# KiCad board fieldRadio_1.1.kicad_pcb
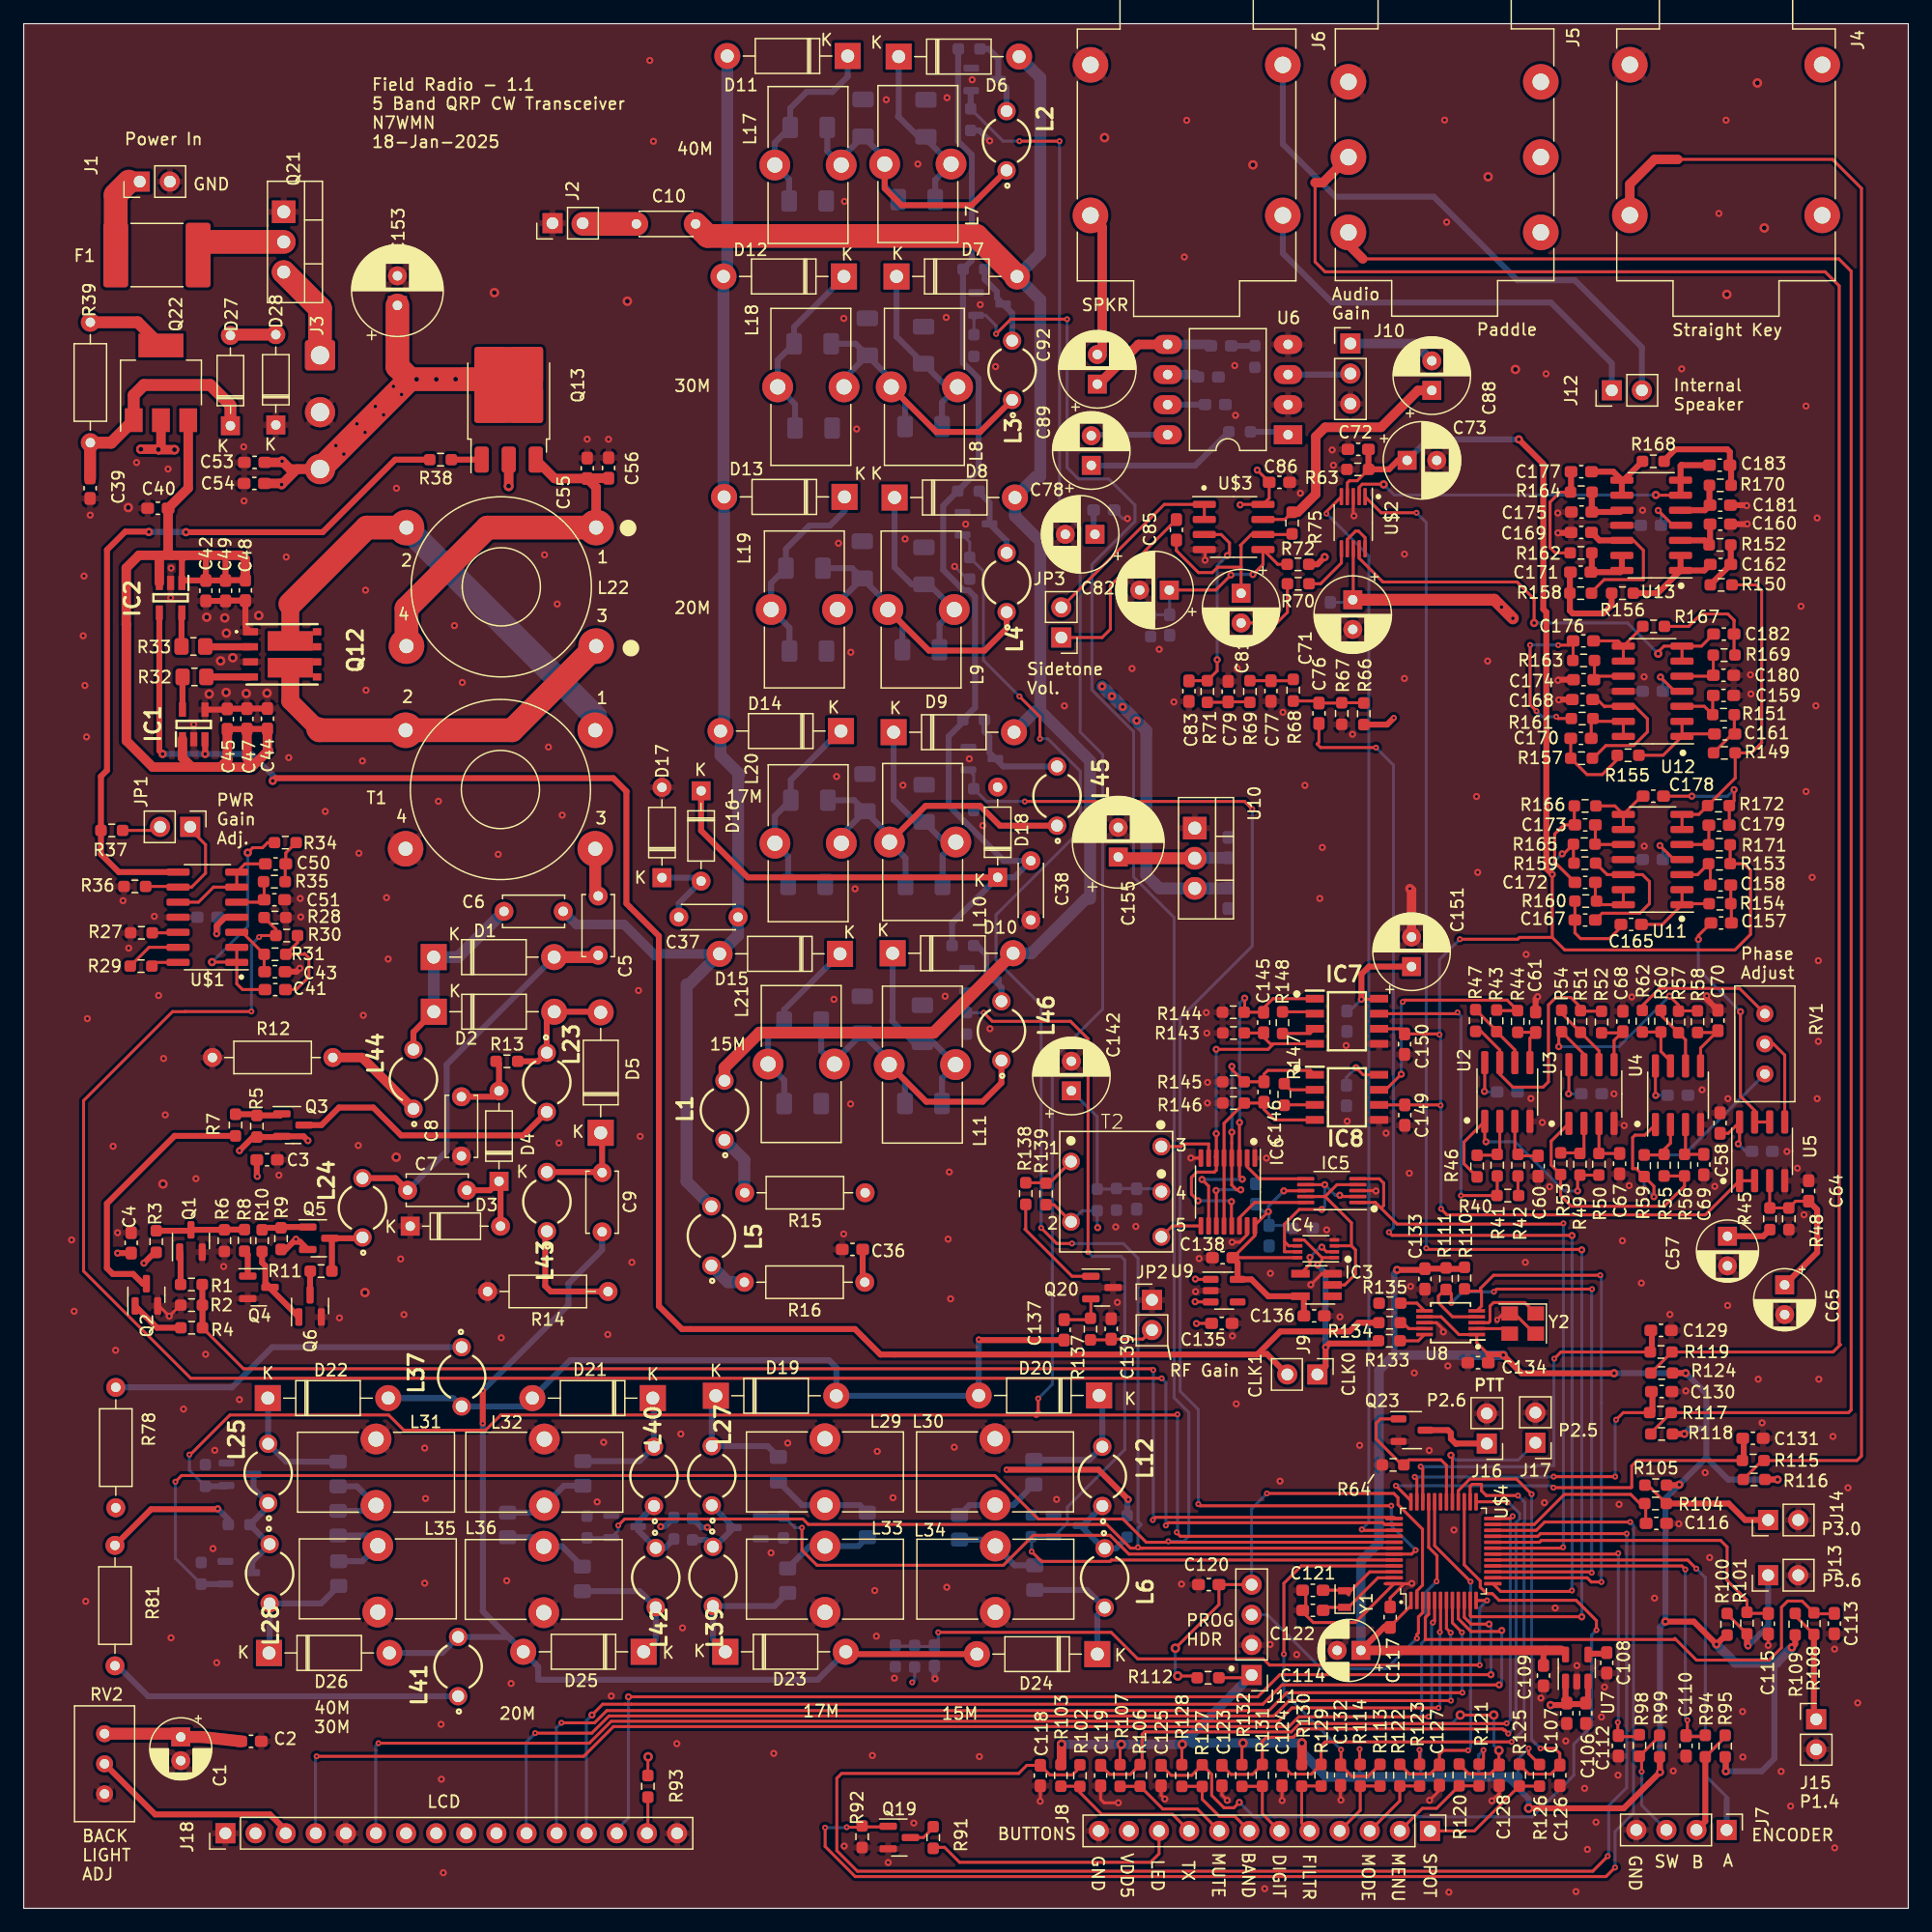
[diagram p0: board, top side]
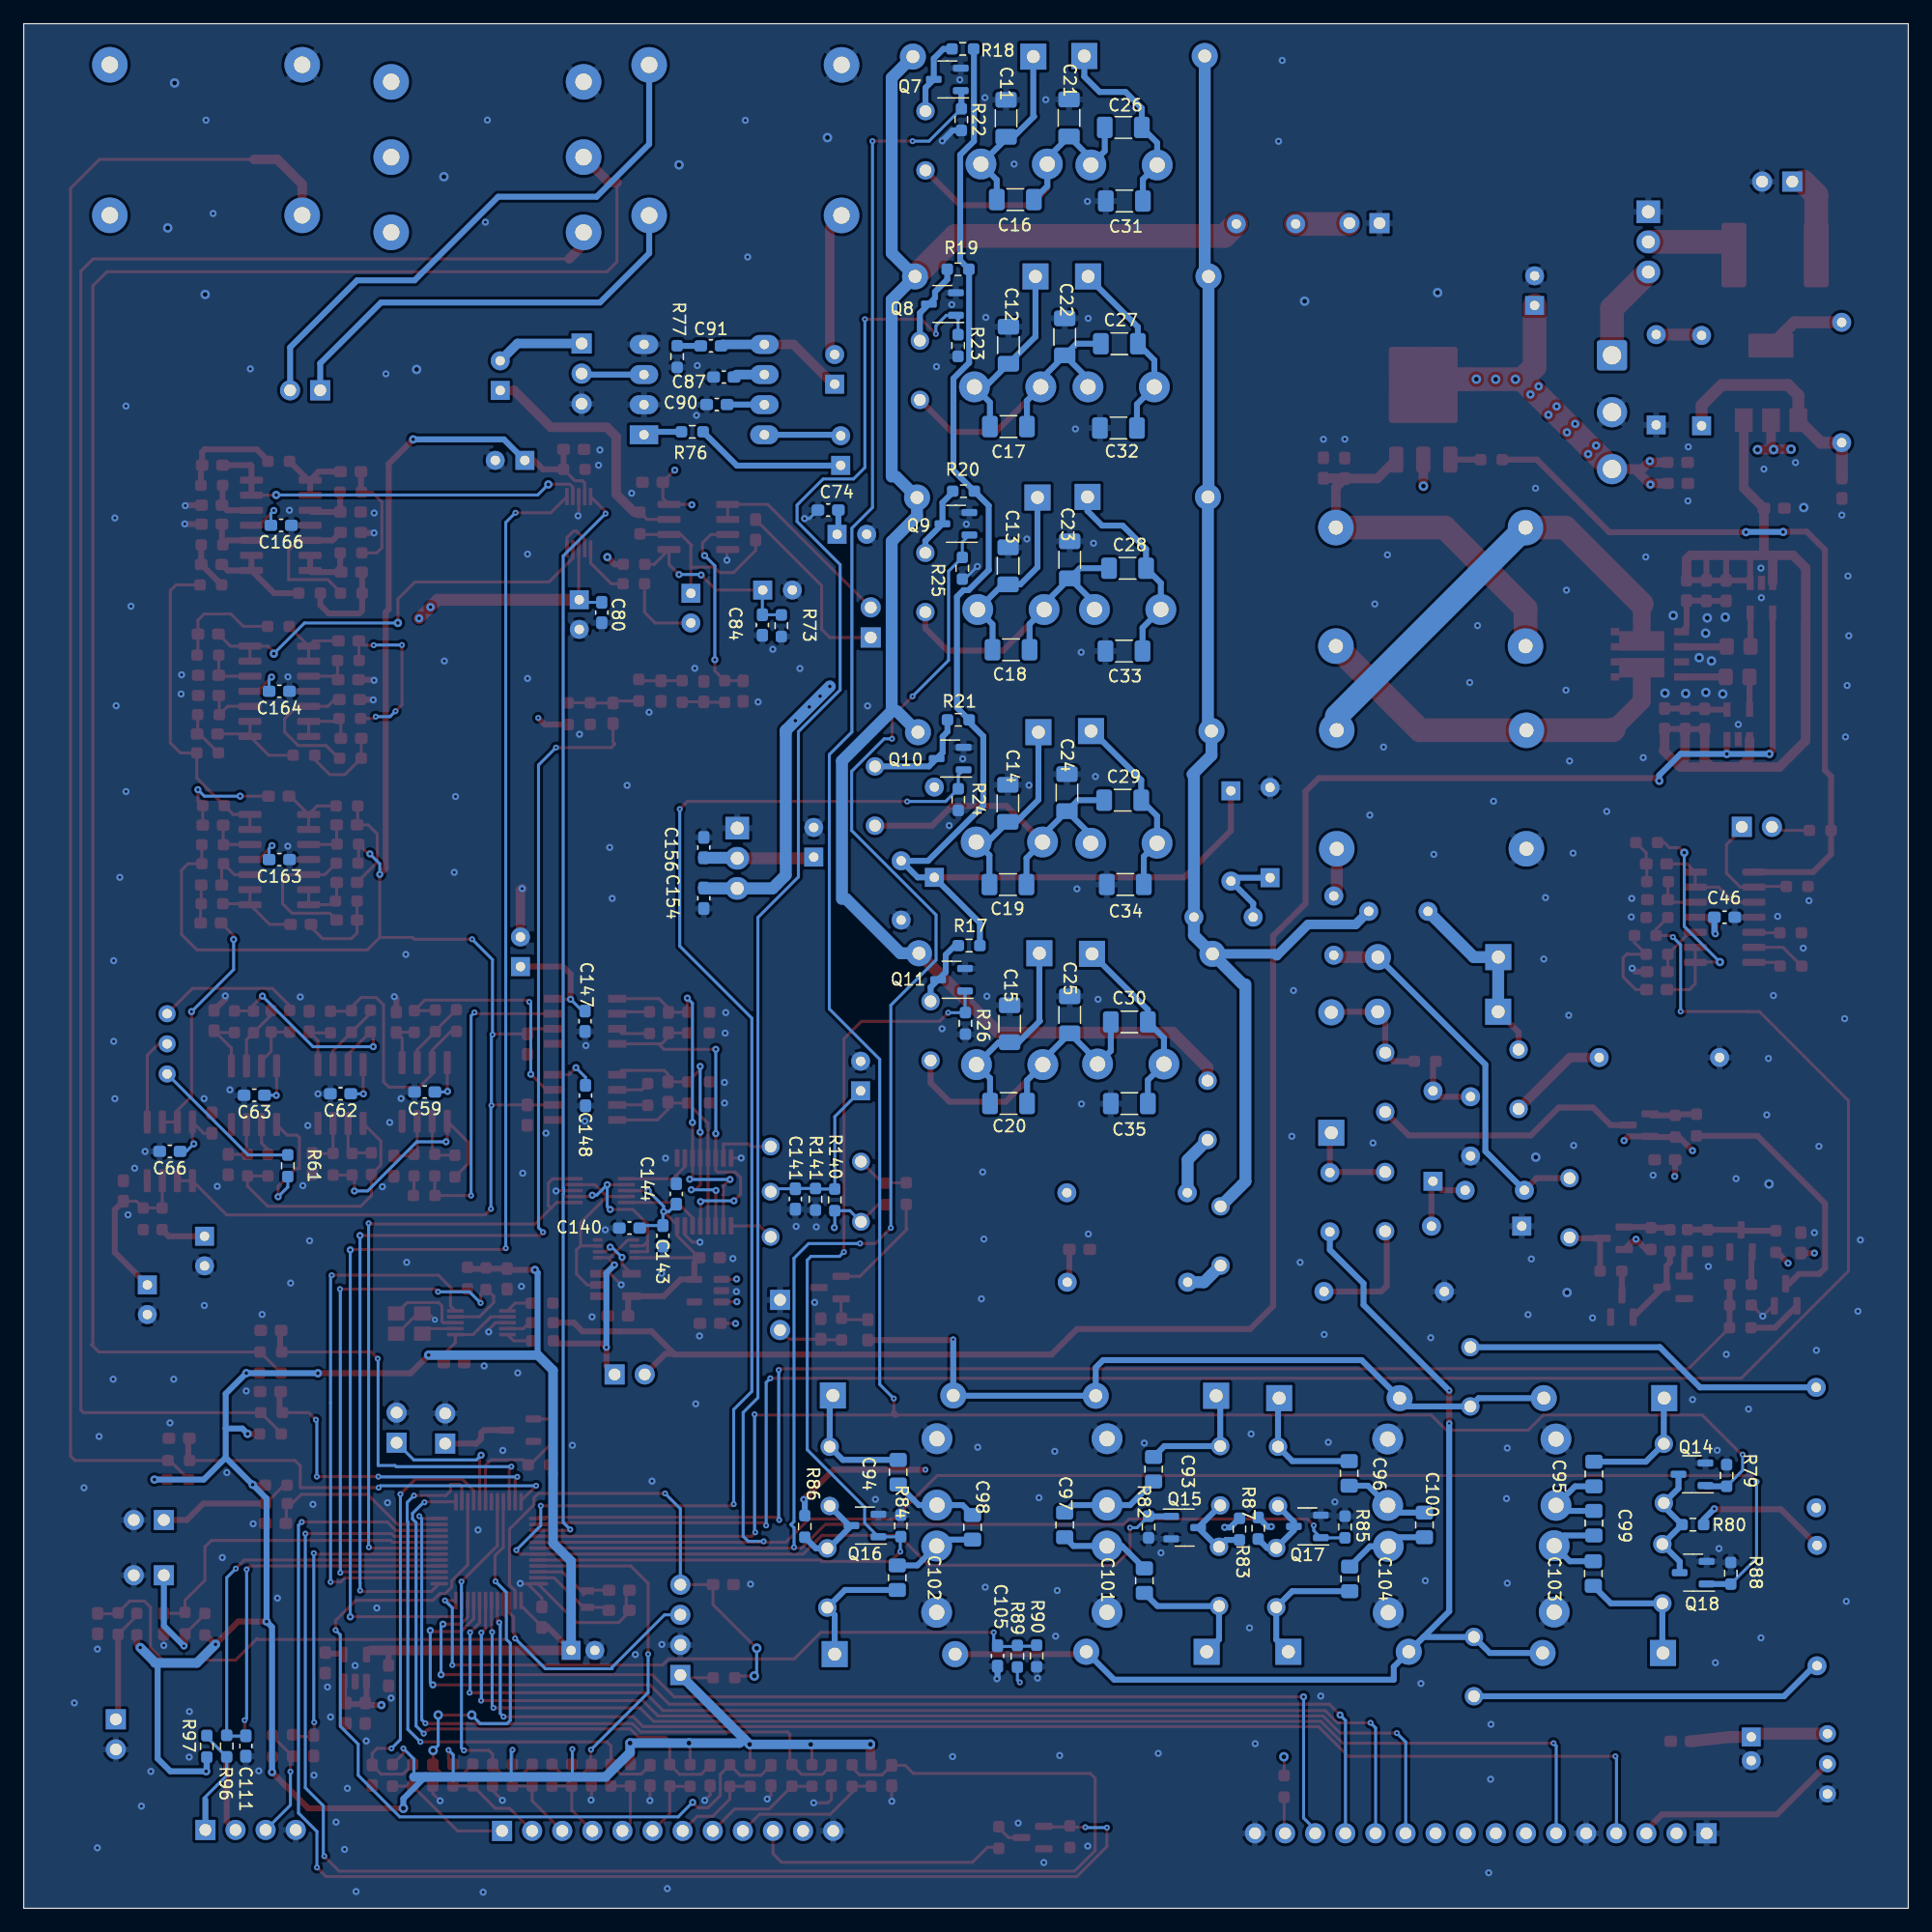
[diagram p1: board, bottom side, seen from below]

Outline 159 x 159 mm; copper layers: Top, GND (plane), PWR (plane), Bottom. Coordinates in mm from the lower left corner of the outline.
Outline path: rectangle 0,159 159,0
Stack: Top 0.035mm / dielectric 0.1mm FR4 er 4.5 / GND 0.035mm / dielectric 1.24mm FR4 er 4.5 / PWR 0.035mm / dielectric 0.1mm FR4 er 4.5 / Bottom 0.035mm

## Placement (name value [footprint] x y rotation side)
C1  10uF  [CP_Radial_D5.0mm_P2.00mm]  13.25 14.46 270 top
C2  0.1uF  [C_0603_1608Metric_Pad1.08x0.95mm_HandSolder]  19.18 14.09 0 top
C3  1uF  [C_0603_1608Metric_Pad1.08x0.95mm_HandSolder]  20.53 63.15 0 top
C4  0.1uF  [C_0603_1608Metric_Pad1.08x0.95mm_HandSolder]  9.07 56.14 90 top
C5  0.1uF/100V  [C_Disc_D5.0mm_W2.5mm_P5.00mm]  48.47 85.41 270 top
C6  0.1uF/100V  [C_Disc_D5.0mm_W2.5mm_P5.00mm]  40.52 84.11 0 top
C7  15pF  [C_Disc_D5.0mm_W2.5mm_P5.00mm]  32.39 60.58 0 top
C8  0.1uF/100V  [C_Disc_D5.0mm_W2.5mm_P5.00mm]  36.93 63.47 90 top
C9  0.1uF  [C_Disc_D5.0mm_W2.5mm_P5.00mm]  48.8 62.07 270 top
C10  0.1uF/100V  [C_Disc_D4.3mm_W1.9mm_P5.00mm]  51.69 142.11 0 top
C11  628p  [C_1206_3216Metric_Pad1.33x1.80mm_HandSolder]  76.12 151.02 90 bottom
C12  435p  [C_1206_3216Metric_Pad1.33x1.80mm_HandSolder]  75.92 131.88 90 bottom
C13  314p  [C_1206_3216Metric_Pad1.33x1.80mm_HandSolder]  75.95 113.26 90 bottom
C14  244p  [C_1206_3216Metric_Pad1.33x1.80mm_HandSolder]  75.97 93.22 90 bottom
C15  209p  [C_1206_3216Metric_Pad1.33x1.80mm_HandSolder]  75.82 74.63 90 bottom
C16  89p  [C_1206_3216Metric_Pad1.33x1.80mm_HandSolder]  75.34 144.16 0 bottom
C17  62p  [C_1206_3216Metric_Pad1.33x1.80mm_HandSolder]  75.92 125.01 0 bottom
C18  44p  [C_1206_3216Metric_Pad1.33x1.80mm_HandSolder]  75.7 106.18 0 bottom
C19  35p  [C_1206_3216Metric_Pad1.33x1.80mm_HandSolder]  75.96 86.37 0 bottom
C20  30p  [C_1206_3216Metric_Pad1.33x1.80mm_HandSolder]  75.91 67.9 0 bottom
C21  1218p  [C_1206_3216Metric_Pad1.33x1.80mm_HandSolder]  70.81 151.05 90 bottom
C22  844p  [C_1206_3216Metric_Pad1.33x1.80mm_HandSolder]  71.17 132.58 90 bottom
C23  609p  [C_1206_3216Metric_Pad1.33x1.80mm_HandSolder]  70.75 113.77 90 bottom
C24  474p  [C_1206_3216Metric_Pad1.33x1.80mm_HandSolder]  70.98 94.13 90 bottom
C25  406p  [C_1206_3216Metric_Pad1.33x1.80mm_HandSolder]  70.75 75.38 90 bottom
C26  202p  [C_1206_3216Metric_Pad1.33x1.80mm_HandSolder]  66.23 150.25 0 bottom
C27  140p  [C_1206_3216Metric_Pad1.33x1.80mm_HandSolder]  66.56 132 0 bottom
C28  101p  [C_1206_3216Metric_Pad1.33x1.80mm_HandSolder]  65.87 113.06 0 bottom
C29  79p  [C_1206_3216Metric_Pad1.33x1.80mm_HandSolder]  66.28 93.49 0 bottom
C30  67p  [C_1206_3216Metric_Pad1.33x1.80mm_HandSolder]  65.72 74.78 0 bottom
C31  557p  [C_1206_3216Metric_Pad1.33x1.80mm_HandSolder]  66.14 144.04 0 bottom
C32  386p  [C_1206_3216Metric_Pad1.33x1.80mm_HandSolder]  66.64 124.89 0 bottom
C33  279p  [C_1206_3216Metric_Pad1.33x1.80mm_HandSolder]  66.17 106.07 0 bottom
C34  217p  [C_1206_3216Metric_Pad1.33x1.80mm_HandSolder]  66.06 86.38 0 bottom
C35  186p  [C_1206_3216Metric_Pad1.33x1.80mm_HandSolder]  65.72 67.89 0 bottom
C36  0.1uF  [C_0603_1608Metric_Pad1.08x0.95mm_HandSolder]  69.92 55.59 0 top
C37  15pF  [C_Disc_D4.3mm_W1.9mm_P5.00mm]  55.27 83.62 0 top
C38  470pF  [C_Disc_D4.3mm_W1.9mm_P5.00mm]  84.97 88.38 270 top
C39  1uF  [C_0603_1608Metric_Pad1.08x0.95mm_HandSolder]  5.6 119.81 90 top
C40  2.2uF  [C_0603_1608Metric_Pad1.08x0.95mm_HandSolder]  11.32 118.12 0 top
C41  89p  [C_0603_1608Metric_Pad1.08x0.95mm_HandSolder]  21.22 77.51 180 top
C42  0.1uF  [C_0603_1608Metric_Pad1.08x0.95mm_HandSolder]  15.37 111.17 90 top
C43  0.1uF  [C_0603_1608Metric_Pad1.08x0.95mm_HandSolder]  21.19 79.02 0 top
C44  0.1uF  [C_0603_1608Metric_Pad1.08x0.95mm_HandSolder]  20.56 100.36 270 top
C45  1uF  [C_0603_1608Metric_Pad1.08x0.95mm_HandSolder]  17.17 100.33 90 top
C46  0.1uF  [C_0603_1608Metric_Pad1.08x0.95mm_HandSolder]  15.5 83.62 0 bottom
C47  1uF  [C_0603_1608Metric_Pad1.08x0.95mm_HandSolder]  18.83 100.35 90 top
C48  1uF  [C_0603_1608Metric_Pad1.08x0.95mm_HandSolder]  18.7 111.19 270 top
C49  1uF  [C_0603_1608Metric_Pad1.08x0.95mm_HandSolder]  17.03 111.17 270 top
C50  0.22uF  [C_0603_1608Metric_Pad1.08x0.95mm_HandSolder]  21.25 88.12 180 top
C51  0.022uF  [C_0603_1608Metric_Pad1.08x0.95mm_HandSolder]  21.15 85.09 0 top
C53  0.01uF  [C_0603_1608Metric_Pad1.08x0.95mm_HandSolder]  19.48 121.99 0 top
C54  0.1uF  [C_0603_1608Metric_Pad1.08x0.95mm_HandSolder]  19.45 120.22 0 top
C55  1uF  [C_0603_1608Metric_Pad1.08x0.95mm_HandSolder]  47.55 121.49 270 top
C56  1uF  [C_0603_1608Metric_Pad1.08x0.95mm_HandSolder]  49.34 121.52 270 top
C57  4.7uF  [CP_Radial_D5.0mm_P2.50mm]  143.75 56.7 270 top
C58  0.1uF  [C_0603_1608Metric_Pad1.08x0.95mm_HandSolder]  143.12 66.25 90 top
C59  0.1uF  [C_0603_1608Metric_Pad1.08x0.95mm_HandSolder]  125.17 68.87 0 bottom
C60  0.01u  [C_0603_1608Metric_Pad1.08x0.95mm_HandSolder]  127.77 62.62 270 top
C61  0.01u  [C_0603_1608Metric_Pad1.08x0.95mm_HandSolder]  127.56 74.75 90 top
C62  0.1uF  [C_0603_1608Metric_Pad1.08x0.95mm_HandSolder]  132.27 68.72 0 bottom
C63  0.1uF  [C_0603_1608Metric_Pad1.08x0.95mm_HandSolder]  139.54 68.6 0 bottom
C64  0.1uF  [C_0603_1608Metric_Pad1.08x0.95mm_HandSolder]  150.59 60.52 90 top
C65  4.7uF  [CP_Radial_D5.0mm_P2.50mm]  148.57 52.6 270 top
C66  0.1uF  [C_0603_1608Metric_Pad1.08x0.95mm_HandSolder]  146.67 63.86 0 bottom
C67  0.01u  [C_0603_1608Metric_Pad1.08x0.95mm_HandSolder]  134.65 62.82 270 top
C68  0.01u  [C_0603_1608Metric_Pad1.08x0.95mm_HandSolder]  134.92 74.82 90 top
C69  0.01u  [C_0603_1608Metric_Pad1.08x0.95mm_HandSolder]  141.75 62.75 270 top
C70  0.01u  [C_0603_1608Metric_Pad1.08x0.95mm_HandSolder]  142.94 74.9 90 top
C71  CAP_POLPTH1  [CP_Radial_D6.3mm_P2.50mm]  112.13 110.4 270 top
C72  0.1uF  [C_0603_1608Metric_Pad1.08x0.95mm_HandSolder]  112.59 123.09 180 top
C73  4.7uF  [CP_Radial_D6.3mm_P2.50mm]  116.72 122.16 0 top
C74  0.1uF  [C_0603_1608Metric_Pad1.08x0.95mm_HandSolder]  91.13 117.97 180 bottom
C76  0.1uF  [C_0603_1608Metric_Pad1.08x0.95mm_HandSolder]  109.28 100.82 270 top
C77  0.1uF  [C_0603_1608Metric_Pad1.08x0.95mm_HandSolder]  105.23 102.7 90 top
C78  CAP_POLPTH1  [CP_Radial_D6.3mm_P2.50mm]  90.38 115.92 180 top
C79  0.1uF  [C_0603_1608Metric_Pad1.08x0.95mm_HandSolder]  101.62 102.65 270 top
C80  0.1uF  [C_0603_1608Metric_Pad1.08x0.95mm_HandSolder]  110.23 109.32 90 bottom
C81  47uF  [CP_Radial_D6.3mm_P2.50mm]  102.71 110.94 270 top
C82  4.7uF  [CP_Radial_D6.3mm_P2.50mm]  96.65 111.22 180 top
C83  0.1uF  [C_0603_1608Metric_Pad1.08x0.95mm_HandSolder]  98.31 102.69 90 top
C84  0.1uF  [C_0603_1608Metric_Pad1.08x0.95mm_HandSolder]  96.68 108.27 90 bottom
C85  4.7uF  [C_0603_1608Metric_Pad1.08x0.95mm_HandSolder]  97.25 116.3 270 top
C86  0.1uF  [C_0603_1608Metric_Pad1.08x0.95mm_HandSolder]  105.94 120.31 180 top
C87  4.7uF  [C_0603_1608Metric_Pad1.08x0.95mm_HandSolder]  99.93 129.19 0 bottom
C88  100uF  [CP_Radial_D6.3mm_P2.50mm]  118.8 128.06 90 top
C89  DNS  [CP_Radial_D6.3mm_P2.50mm]  90.07 121.74 90 top
C90  DNS  [C_0603_1608Metric_Pad1.08x0.95mm_HandSolder]  100.52 126.87 180 bottom
C91  47nF  [C_0603_1608Metric_Pad1.08x0.95mm_HandSolder]  101.02 131.82 180 bottom
C92  100uF  [CP_Radial_D6.3mm_P2.50mm]  90.58 128.59 90 top
C93  163pF  [C_0805_2012Metric_Pad1.18x1.45mm_HandSolder]  63.68 37.04 90 bottom
C94  136pF  [C_0805_2012Metric_Pad1.18x1.45mm_HandSolder]  85.22 36.79 90 bottom
C95  407pF  [C_0805_2012Metric_Pad1.18x1.45mm_HandSolder]  26.53 36.64 90 bottom
C96  204pF  [C_0805_2012Metric_Pad1.18x1.45mm_HandSolder]  47.17 36.69 90 bottom
C97  95pF  [C_0805_2012Metric_Pad1.18x1.45mm_HandSolder]  71.18 32.34 90 bottom
C98  79pF  [C_0805_2012Metric_Pad1.18x1.45mm_HandSolder]  78.95 32.14 90 bottom
C99  237pF  [C_0805_2012Metric_Pad1.18x1.45mm_HandSolder]  26.53 32.49 90 bottom
C100  118pF  [C_0805_2012Metric_Pad1.18x1.45mm_HandSolder]  40.83 32.34 90 bottom
C101  163pF  [C_0805_2012Metric_Pad1.18x1.45mm_HandSolder]  64.45 27.64 90 bottom
C102  136pF  [C_0805_2012Metric_Pad1.18x1.45mm_HandSolder]  85.3 27.89 90 bottom
C103  407pF  [C_0805_2012Metric_Pad1.18x1.45mm_HandSolder]  26.58 28.24 90 bottom
C104  204pF  [C_0805_2012Metric_Pad1.18x1.45mm_HandSolder]  47.12 27.79 90 bottom
C105  0.1uF  [C_0603_1608Metric_Pad1.08x0.95mm_HandSolder]  76.84 21.29 270 bottom
C106  1uF  [C_0603_1608Metric_Pad1.08x0.95mm_HandSolder]  131.79 16.46 270 top
C107  0.1uF  [C_0603_1608Metric_Pad1.08x0.95mm_HandSolder]  130.19 16.46 270 top
C108  470pF  [C_0603_1608Metric_Pad1.08x0.95mm_HandSolder]  133.56 20.71 270 top
C109  0.1uF  [C_0603_1608Metric_Pad1.08x0.95mm_HandSolder]  128.22 19.63 270 top
C110  0.1uF  [C_0603_1608Metric_Pad1.08x0.95mm_HandSolder]  140.25 13.71 270 top
C111  0.1uF  [C_0603_1608Metric_Pad1.08x0.95mm_HandSolder]  140.26 13.69 270 bottom
C112  0.1uF  [C_0603_1608Metric_Pad1.08x0.95mm_HandSolder]  134.54 13.71 270 top
C113  0.1uF  [C_0603_1608Metric_Pad1.08x0.95mm_HandSolder]  152.76 24.02 270 top
C114  10uF  [CP_Radial_D5.0mm_P2.00mm]  112.82 21.76 180 top
C115  0.1uF  [C_0603_1608Metric_Pad1.08x0.95mm_HandSolder]  147.19 24.01 270 top
C116  0.1uF  [C_0603_1608Metric_Pad1.08x0.95mm_HandSolder]  137.75 32.47 0 top
C117  0.1uF  [C_0603_1608Metric_Pad1.08x0.95mm_HandSolder]  115.28 24.56 270 top
C118  0.1uF  [C_0603_1608Metric_Pad1.08x0.95mm_HandSolder]  85.77 11.2 270 top
C119  0.1uF  [C_0603_1608Metric_Pad1.08x0.95mm_HandSolder]  90.86 11.2 270 top
C120  1nF  [C_0603_1608Metric_Pad1.08x0.95mm_HandSolder]  99.98 27.31 0 top
C121  22pF  [C_0603_1608Metric_Pad1.08x0.95mm_HandSolder]  108.76 26.83 0 top
C122  22pF  [C_0603_1608Metric_Pad1.08x0.95mm_HandSolder]  108.77 25.14 0 top
C123  0.1uF  [C_0603_1608Metric_Pad1.08x0.95mm_HandSolder]  101.09 11.2 270 top
C124  0.1uF  [C_0603_1608Metric_Pad1.08x0.95mm_HandSolder]  106.16 11.21 270 top
C125  0.1uF  [C_0603_1608Metric_Pad1.08x0.95mm_HandSolder]  95.96 11.2 270 top
C126  0.1uF  [C_0603_1608Metric_Pad1.08x0.95mm_HandSolder]  129.6 11.22 270 top
C127  0.1uF  [C_0603_1608Metric_Pad1.08x0.95mm_HandSolder]  119.44 11.24 270 top
C128  0.1uF  [C_0603_1608Metric_Pad1.08x0.95mm_HandSolder]  124.49 11.23 270 top
C129  0.1uF  [C_0603_1608Metric_Pad1.08x0.95mm_HandSolder]  138.14 48.76 0 top
C130  0.1uF  [C_0603_1608Metric_Pad1.08x0.95mm_HandSolder]  138.19 43.59 0 top
C131  0.1uF  [C_0603_1608Metric_Pad1.08x0.95mm_HandSolder]  145.89 39.66 0 top
C132  0.1uF  [C_0603_1608Metric_Pad1.08x0.95mm_HandSolder]  111.1 11.23 270 top
C133  0.22uF  [C_0603_1608Metric_Pad1.08x0.95mm_HandSolder]  118.22 53.1 270 top
C134  0.22uF  [C_0603_1608Metric_Pad1.08x0.95mm_HandSolder]  122.7 46.03 180 top
C135  1uF  [C_0603_1608Metric_Pad1.08x0.95mm_HandSolder]  101.08 49.35 180 top
C136  0.1uF  [C_0603_1608Metric_Pad1.08x0.95mm_HandSolder]  108.87 49.98 180 top
C137  0.01uF  [C_0603_1608Metric_Pad1.08x0.95mm_HandSolder]  87.78 48.8 270 top
C138  1uF  [C_0603_1608Metric_Pad1.08x0.95mm_HandSolder]  101.15 54.89 0 top
C139  0.1uF  [C_0603_1608Metric_Pad1.08x0.95mm_HandSolder]  91.75 48.88 270 top
C140  0.1uF  [C_0603_1608Metric_Pad1.08x0.95mm_HandSolder]  107.89 57.39 180 bottom
C141  0.1uF  [C_0603_1608Metric_Pad1.08x0.95mm_HandSolder]  93.9 59.84 90 bottom
C142  10uF  [CP_Radial_D6.3mm_P2.50mm]  88.39 68.97 90 top
C143  0.1uF  [C_0603_1608Metric_Pad1.08x0.95mm_HandSolder]  105.07 56.74 270 bottom
C144  1uF  [C_0603_1608Metric_Pad1.08x0.95mm_HandSolder]  103.94 60.27 90 bottom
C145  330pF  [C_0603_1608Metric_Pad1.08x0.95mm_HandSolder]  104.61 74.73 270 top
C146  330pF  [C_0603_1608Metric_Pad1.08x0.95mm_HandSolder]  104.64 68.87 90 top
C147  0.1uF  [C_0603_1608Metric_Pad1.08x0.95mm_HandSolder]  111.64 74.84 90 bottom
C148  0.1uF  [C_0603_1608Metric_Pad1.08x0.95mm_HandSolder]  111.6 68.57 90 bottom
C149  0.1uF  [C_0603_1608Metric_Pad1.08x0.95mm_HandSolder]  116.52 66.92 270 top
C150  0.1uF  [C_0603_1608Metric_Pad1.08x0.95mm_HandSolder]  116.5 72.91 90 top
C151  10uF  [CP_Radial_D6.3mm_P2.50mm]  117.09 79.45 90 top
C153  47uF  [CP_Radial_D7.5mm_P2.50mm]  31.53 135.23 90 top
C154  0.1uF  [C_0603_1608Metric_Pad1.08x0.95mm_HandSolder]  101.62 85.22 270 bottom
C155  47uF  [CP_Radial_D7.5mm_P2.50mm]  92.34 88.69 90 top
C156  0.1uF  [C_0603_1608Metric_Pad1.08x0.95mm_HandSolder]  101.62 89.49 90 bottom
C157  0.82uF  [C_0603_1608Metric_Pad1.08x0.95mm_HandSolder]  143.21 83.13 0 top
C158  0.39uF  [C_0603_1608Metric_Pad1.08x0.95mm_HandSolder]  143.16 86.33 180 top
C159  0.012uF  [C_0603_1608Metric_Pad1.08x0.95mm_HandSolder]  143.41 102.33 0 top
C160  0.0033uF  [C_0603_1608Metric_Pad1.08x0.95mm_HandSolder]  143.13 116.78 0 top
C161  0.015uF  [C_0603_1608Metric_Pad1.08x0.95mm_HandSolder]  143.51 99.08 180 top
C162  0.0039uF  [C_0603_1608Metric_Pad1.08x0.95mm_HandSolder]  143.16 113.38 180 top
C163  0.1uF  [C_0603_1608Metric_Pad1.08x0.95mm_HandSolder]  137.44 88.48 0 bottom
C164  0.1uF  [C_0603_1608Metric_Pad1.08x0.95mm_HandSolder]  137.44 102.68 0 bottom
C165  1uF  [C_0603_1608Metric_Pad1.08x0.95mm_HandSolder]  135.62 83.01 180 top
C166  0.1uF  [C_0603_1608Metric_Pad1.08x0.95mm_HandSolder]  137.28 116.68 0 bottom
C167  0.47uF  [C_0603_1608Metric_Pad1.08x0.95mm_HandSolder]  131.74 83.38 0 top
C168  0.012uF  [C_0603_1608Metric_Pad1.08x0.95mm_HandSolder]  131.51 101.98 180 top
C169  0.0033uF  [C_0603_1608Metric_Pad1.08x0.95mm_HandSolder]  131.41 116.08 180 top
C170  0.018uF  [C_0603_1608Metric_Pad1.08x0.95mm_HandSolder]  131.38 98.71 0 top
C171  0.0056uF  [C_0603_1608Metric_Pad1.08x0.95mm_HandSolder]  131.36 112.73 0 top
C172  1.5uF  [C_0603_1608Metric_Pad1.08x0.95mm_HandSolder]  131.74 86.56 180 top
C173  0.68uF  [C_0603_1608Metric_Pad1.08x0.95mm_HandSolder]  131.74 91.41 0 top
C174  0.012uF  [C_0603_1608Metric_Pad1.08x0.95mm_HandSolder]  131.61 103.66 180 top
C175  0.0033uF  [C_0603_1608Metric_Pad1.08x0.95mm_HandSolder]  131.44 117.81 180 top
C176  0.039uF  [C_0603_1608Metric_Pad1.08x0.95mm_HandSolder]  131.59 106.93 0 top
C177  0.012uF  [C_0603_1608Metric_Pad1.08x0.95mm_HandSolder]  131.41 121.2 0 top
C178  0.47uF  [C_0603_1608Metric_Pad1.08x0.95mm_HandSolder]  137.49 93.83 0 top
C179  0.22uF  [C_0603_1608Metric_Pad1.08x0.95mm_HandSolder]  143.03 91.38 180 top
C180  0.012uF  [C_0603_1608Metric_Pad1.08x0.95mm_HandSolder]  143.41 104.03 0 top
C181  0.0033uF  [C_0603_1608Metric_Pad1.08x0.95mm_HandSolder]  143.13 118.38 0 top
C182  0.33uF  [C_0603_1608Metric_Pad1.08x0.95mm_HandSolder]  143.44 107.5 180 top
C183  0.1uF  [C_0603_1608Metric_Pad1.08x0.95mm_HandSolder]  143.09 121.75 180 top
D1  1N4007  [D_DO-41_SOD81_P10.16mm_Horizontal]  34.59 80.25 0 top
D2  1N4007  [D_DO-41_SOD81_P10.16mm_Horizontal]  34.6 75.64 0 top
D3  1N914  [D_DO-35_SOD27_P7.62mm_Horizontal]  32.61 57.55 0 top
D4  1N914  [D_DO-35_SOD27_P7.62mm_Horizontal]  40.1 61.34 90 top
D5  1N4007  [D_DO-41_SOD81_P10.16mm_Horizontal]  48.68 65.43 90 top
D6  1N4007  [D_DO-41_SOD81_P10.16mm_Horizontal]  73.82 156.22 0 top
D7  1N4007  [D_DO-41_SOD81_P10.16mm_Horizontal]  73.64 137.68 0 top
D8  1N4007  [D_DO-41_SOD81_P10.16mm_Horizontal]  73.47 119.03 0 top
D9  1N4007  [D_DO-41_SOD81_P10.16mm_Horizontal]  73.39 99.22 0 top
D10  1N4007  [D_DO-41_SOD81_P10.16mm_Horizontal]  73.31 80.57 0 top
D11  1N4007  [D_DO-41_SOD81_P10.16mm_Horizontal]  69.52 156.28 180 top
D12  1N4007  [D_DO-41_SOD81_P10.16mm_Horizontal]  69.2 137.68 180 top
D13  1N4007  [D_DO-41_SOD81_P10.16mm_Horizontal]  69.25 119.08 180 top
D14  1N4007  [D_DO-41_SOD81_P10.16mm_Horizontal]  68.95 99.32 180 top
D15  1N4007  [D_DO-41_SOD81_P10.16mm_Horizontal]  68.87 80.53 180 top
D16  1N914  [D_DO-35_SOD27_P7.62mm_Horizontal]  57.15 94.28 270 top
D17  1N914  [D_DO-35_SOD27_P7.62mm_Horizontal]  53.85 86.95 90 top
D18  1N914  [D_DO-35_SOD27_P7.62mm_Horizontal]  82.17 86.97 90 top
D19  1N4007  [D_DO-41_SOD81_P10.16mm_Horizontal]  58.4 43.24 0 top
D20  1N4007  [D_DO-41_SOD81_P10.16mm_Horizontal]  90.73 43.27 180 top
D21  1N4007  [D_DO-41_SOD81_P10.16mm_Horizontal]  53.08 43.04 180 top
D22  1N4007  [D_DO-41_SOD81_P10.16mm_Horizontal]  20.59 43.04 0 top
D23  1N4007  [D_DO-41_SOD81_P10.16mm_Horizontal]  59.19 21.64 0 top
D24  1N4007  [D_DO-41_SOD81_P10.16mm_Horizontal]  90.58 21.44 180 top
D25  1N4007  [D_DO-41_SOD81_P10.16mm_Horizontal]  52.31 21.64 180 top
D26  1N4007  [D_DO-41_SOD81_P10.16mm_Horizontal]  20.69 21.54 0 top
D27  1N751A  [D_DO-35_SOD27_P7.62mm_Horizontal]  17.44 125.08 90 top
D28  1N914  [D_DO-35_SOD27_P7.62mm_Horizontal]  21.27 125.15 90 top
F1  Polyfuse  [Fuse_2920_7451Metric_Pad2.10x5.45mm_HandSolder]  11.24 139.48 0 top
IC1  UCC27517DBVR  [SOT95P280X145-5N]  14.34 99.88 90 top
IC2  UCC27517DBVR  [SOT95P280X145-5N]  12.39 110.57 270 top
IC3  SN74LVC1G04DBVT  [SOT-23-5_HandSoldering]  109.07 52.59 180 top
IC4  SN74AUP2G79DCUR  [VSSOP-8_2.3x2mm_P0.5mm]  109.03 55.64 180 top
IC5  TS5A23157  [VSSOP-10_3x3mm_P0.5mm]  110.36 60.55 180 top
IC6  SN74CBTLV3253  [TSSOP-16_4.4x5mm_P0.65mm]  101.59 60.44 270 top
IC7  INA821ID  [SOIC127P600X175-8N]  111.64 74.84 0 top
IC8  INA821ID  [SOIC127P600X175-8N]  111.64 68.42 0 top
J1  Conn_01x02  [PinHeader_1x02_P2.54mm_Vertical]  9.79 145.68 90 top
J2  Conn_01x02  [PinHeader_1x02_P2.54mm_Vertical]  44.61 142.17 90 top
J3  Conn_01x03  [SolderWire-0.75sqmm_1x03_P4.8mm_D1.25mm_OD2.3mm]  25 131.03 270 top
J4  AudioJack2_Switch  [Jack_6.35mm_Neutrik_NMJ4HFD3_Horizontal]  135.5 142.83 90 top
J5  AudioJack3_Switch  [Jack_6.35mm_Neutrik_NMJ6HFD2_Horizontal]  111.76 141.39 90 top
J6  AudioJack2_Switch  [Jack_6.35mm_Neutrik_NMJ4HFD3_Horizontal]  90 142.82 90 top
J7  Conn_01x04  [PinHeader_1x04_P2.54mm_Vertical]  143.67 6.61 270 top
J8  Conn_01x12  [PinHeader_1x12_P2.54mm_Vertical]  118.65 6.53 270 top
J9  Conn_01x02  [PinHeader_1x02_P2.54mm_Vertical]  109.15 45.04 270 top
J10  Conn_01x03  [PinHeader_1x03_P2.54mm_Vertical]  111.93 132.02 0 top
J11  Conn_01x04  [PinHeader_1x04_P2.54mm_Vertical]  103.6 19.68 180 top
J12  Conn_01x02  [PinHeader_1x02_P2.54mm_Vertical]  133.99 128.07 90 top
J13  Conn_01x02  [PinHeader_1x02_P2.54mm_Vertical]  147.18 28.1 90 top